# KiCad board usb_power_board.kicad_pcb (continued)
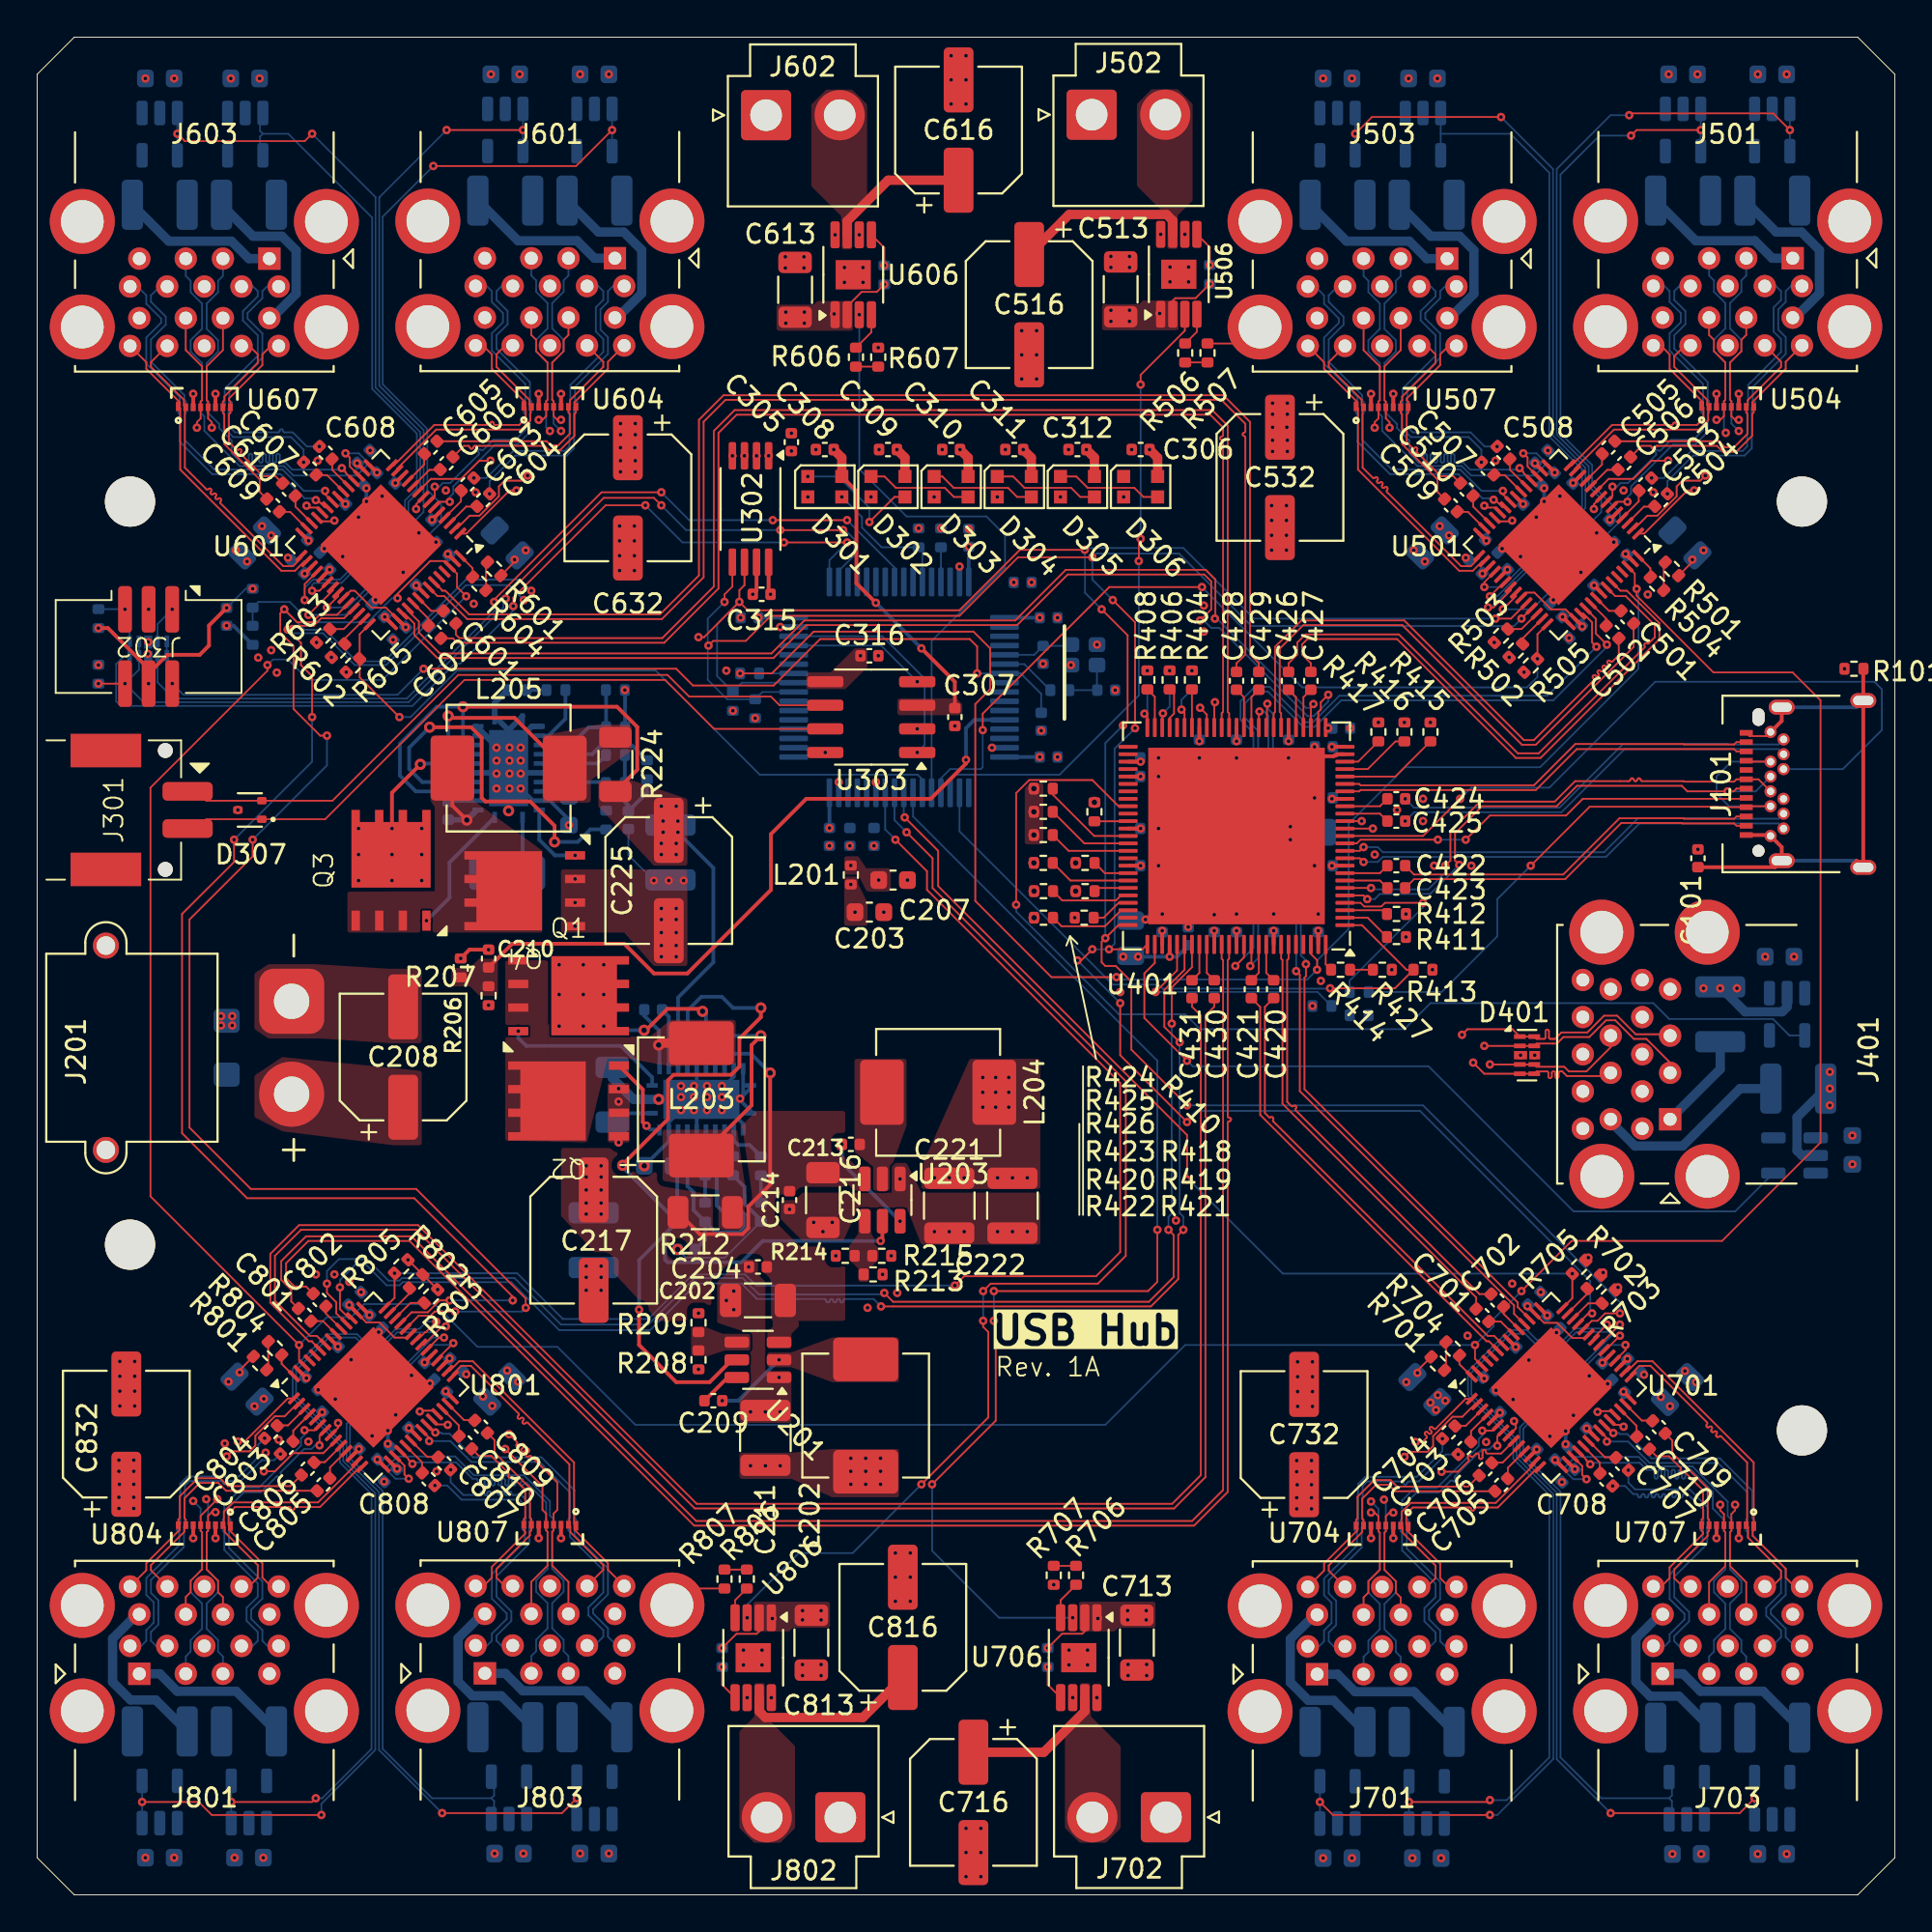
[diagram p0: board, top side]
## Nets (continued)
/USB Hub 3/TX_{E}-: C705.1 J701.17 U704.7
/USB Hub 3/TX_{K}+: C704.1 J701.9 U705.1
/USB Hub 3/TX_{K}-: C703.1 J701.8 U705.2
/USB Hub 4/BIAS: R804.2 U801.56
/USB Hub 4/BIASM: R801.2 R804.1
/USB Hub 4/CTL1: U801.36 U802.3 U802.4
/USB Hub 4/CTL2: U801.35 U803.3 U803.4
/USB Hub 4/CTL3: U801.34 U808.3 U808.4
/USB Hub 4/CTL4: U801.32 U809.3 U809.4
/USB Hub 4/D_{C}+: J803.3 U801.17 U810.5
/USB Hub 4/D_{C}-: J803.2 U801.18 U810.4
/USB Hub 4/D_{D}+: J803.12 U801.24 U807.4
/USB Hub 4/D_{D}-: J803.11 U801.25 U807.5
/USB Hub 4/D_{E}+: J801.12 U801.8 U804.4
/USB Hub 4/D_{E}-: J801.11 U801.9 U804.5
/USB Hub 4/D_{K}+: J801.3 U801.1 U805.5
/USB Hub 4/D_{K}-: J801.2 U801.2 U805.4
/USB Hub 4/QTXM_{C}: C807.2 U801.20
/USB Hub 4/QTXM_{D}: C809.2 U801.27
/USB Hub 4/QTXM_{E}: C805.2 U801.11
/USB Hub 4/QTXM_{K}: C803.2 U801.4
/USB Hub 4/QTXP_{C}: C808.2 U801.19
/USB Hub 4/QTXP_{D}: C810.2 U801.26
/USB Hub 4/QTXP_{E}: C806.2 U801.10
/USB Hub 4/QTXP_{K}: C804.2 U801.3
/USB Hub 4/RX_{C}+: J803.6 U801.22 U810.7
/USB Hub 4/RX_{C}-: J803.5 U801.23 U810.8
/USB Hub 4/RX_{D}+: J803.15 U801.29 U807.2
/USB Hub 4/RX_{D}-: J803.14 U801.30 U807.1
/USB Hub 4/RX_{E}+: J801.15 U801.13 U804.2
/USB Hub 4/RX_{E}-: J801.14 U801.14 U804.1
/USB Hub 4/RX_{K}+: J801.6 U801.6 U805.7
/USB Hub 4/RX_{K}-: J801.5 U801.7 U805.8
/USB Hub 4/TX_{C}+: C808.1 J803.9 U810.1
/USB Hub 4/TX_{C}-: C807.1 J803.8 U810.2
/USB Hub 4/TX_{D}+: C810.1 J803.18 U807.8
/USB Hub 4/TX_{D}-: C809.1 J803.17 U807.7
/USB Hub 4/TX_{E}+: C806.1 J801.18 U804.8
/USB Hub 4/TX_{E}-: C805.1 J801.17 U804.7
/USB Hub 4/TX_{K}+: C804.1 J801.9 U805.1
/USB Hub 4/TX_{K}-: C803.1 J801.8 U805.2
Net-(J101-SHIELD): C101.2 J101.A1 J101.A12 J101.B1 J101.B12 J101.S1 R101.2
Net-(J502-Pin_2): C516.1 J502.2 U506.7
Net-(J602-Pin_2): C616.1 J602.2 U606.7
Net-(J702-Pin_2): C716.1 J702.2 U706.7
Net-(J802-Pin_2): C816.1 J802.2 U806.7
Net-(R506-Pad2): R506.2 R507.1
Net-(R606-Pad2): R606.2 R607.1
Net-(R706-Pad2): R706.2 R707.1
Net-(R806-Pad2): R806.2 R807.1
Net-(U501A-SPI_CE_N/CFG_NON_REM): R502.2 U501.41
Net-(U501A-SPI_DI/CFG_BC_EN): R503.2 U501.40
Net-(U501A-USB3UP_TXDM): C501.2 U501.48
Net-(U501A-USB3UP_TXDP): C502.2 U501.47
Net-(U506-CL): R506.1 U506.4
Net-(U506-DELAY): R508.2 U506.5
Net-(U601A-SPI_CE_N/CFG_NON_REM): R602.2 U601.41
Net-(U601A-SPI_DI/CFG_BC_EN): R603.2 U601.40
Net-(U601A-USB3UP_TXDM): C601.2 U601.48
Net-(U601A-USB3UP_TXDP): C602.2 U601.47
Net-(U606-CL): R606.1 U606.4
Net-(U606-DELAY): R608.2 U606.5
Net-(U701A-SPI_CE_N/CFG_NON_REM): R702.2 U701.41
Net-(U701A-SPI_DI/CFG_BC_EN): R703.2 U701.40
Net-(U701A-USB3UP_TXDM): C701.2 U701.48
Net-(U701A-USB3UP_TXDP): C702.2 U701.47
Net-(U706-CL): R706.1 U706.4
Net-(U706-DELAY): R708.2 U706.5
Net-(U801A-SPI_CE_N/CFG_NON_REM): R802.2 U801.41
Net-(U801A-SPI_DI/CFG_BC_EN): R803.2 U801.40
Net-(U801A-USB3UP_TXDM): C801.2 U801.48
Net-(U801A-USB3UP_TXDP): C802.2 U801.47
Net-(U806-CL): R806.1 U806.4
Net-(U806-DELAY): R808.2 U806.5

Pads without a net: D306 1; J101 A8 B8; J401 5 6 8 9 14 15 17 18; U301 2 3 4 8 9 10 11 13 14 17 30 33 34 35 36 37 38 39 43 44 51 52 53 54 55 57 58 60 62; U401 46 51 52 54 56 57 58 60 66 74 96 97; U501 52 53; U601 52 53; U701 52 53; U801 52 53

## Via types
v1: diameter 0.45, hole 0.2, Top to Bottom, 960 vias
v2: diameter 0.6, hole 0.3, Top to Bottom, 26 vias

## Routing (per net, layer and track width the routed paths; a pad name or vN(x,y) marks a point on that pad's centre or on a via; arc(x,y) is an arc through that point)
+1V2: length 23.7
  Top w0.2: U401.93 v1(66.56,51.9) ; U801.5 v1(15.34,25.98) ; U801.15 v1(18.31,23.43) ; U801.33 v1(20.86,28.67) ; U401.38 v1(64.56,62.1) ; U701.33 v1(84.26,28.64) ; U801.49 v1(16.19,29.51) ; U401.55 v1(59.4,60.2) ; U401.85 v1(63.36,51.9) ; U601.33 v1(15.74,71.33) ; U501.12 v1(82.68,76) ; U701.21 v1(83.41,25.11) ; U501.15 v1(81.69,76.57) ; U501.28 v1(78.01,72.89) ; U601.43 18.78,68.72 ; U701.5 v1(78.74,25.96) ; U801.21 v1(20.01,25.13) ; U501.49 v1(83.81,70.49) ; U601.28 v1(14.61,72.89) ; v1(69.7,59) U401.18 ; U601.12 v1(19.28,76) ; U401.78 v1(60.56,51.9) ; U801.28 v1(21.99,27.11) ; U701.43 81.22,31.26 ; U801.43 17.82,31.28 ; U601.5 v1(21.26,74.02) ; U501.21 v1(79.99,74.87) ; U701.49 v1(79.59,29.49) ; U401.9 v1(69.7,55.4) ; U701.12 v1(80.72,23.98) ; U601.15 v1(18.29,76.57) ; U501.33 v1(79.14,71.33) ; U601.49 v1(20.41,70.49) ; U401.25 v1(69.7,61.8) ; U601.21 v1(16.59,74.87) ; U701.28 v1(85.39,27.09) ; U801.12 v1(17.32,24) ; U701.15 v1(81.71,23.41) ; U401.31 v1(67.36,62.1) ; U501.5 v1(84.66,74.02) ; U501.43 82.18,68.72
  vias: v1(12.1,73.68) v1(12.6,73.18) v1(17.89,31.21) v1(18.71,68.79) v1(24,26.82) v1(24.5,26.32) v1(45.51,33.4) v1(45.97,34.4) v1(48.3,38.6) v1(49.1,38.6) v1(49.9,38.6) v1(50.9,44) v1(50.9,43.2) v1(50.9,42.4) v1(51.6,44) v1(51.6,43.2) v1(51.6,42.4) v1(51.7,38.6) v1(52.3,44) v1(52.3,43.2) v1(52.3,42.4) v1(52.5,38.6) v1(53.3,38.6) v1(75.5,73.68) v1(76,73.18) v1(81.29,31.19) v1(82.11,68.79) v1(87.4,26.8) v1(87.9,26.3)
+5V: length 66.3
  Top w0.2: v1(45.15,69.55) 44.1,70.6 44.1,75.56 D301.4 ; R224.1 32.3,60.57 32.3,62.87 31.21,63.95 v2(22.92,63.95) ; v1(47.6,67.1) 49.4,65.3 C307.2
  Top w0.5: D306.4 60.31,77.36 v1(59.88,77.8) ; D302.4 46.72,77.36 v1(46.28,77.8) ; v1(42.88,77.8) 43.31,77.36 D301.4 ; 50.12,76.35 50.12,77.36 v1(49.68,77.8) ; v1(56.48,77.8) 56.91,77.36 D305.4 ; D304.4 53.51,77.36 v1(53.08,77.8)
  Bottom w0.2: C224.2 36.4,55.28 36.4,50.2 34.5,48.3 U202.16 ; 23.58,61.9 23.15,61.9 22.92,62.13 v2(22.92,63.95) 21.52,63.95 19.53,61.96 19.53,60.25 20.38,59.4 23.58,59.4 ; v1(45.15,69.55) v1(47.6,67.1)
  vias: v1(4.4,23.4) v1(4.4,22.8) v1(4.43,22.1) v1(4.4,21.4) v1(4.4,20.8) v1(5.2,23.4) v1(5.2,22.8) v1(5.2,22.1) v1(5.2,21.4) v1(5.2,20.8) v1(5.83,97.78) v1(7.37,2) v1(10.42,97.78) v1(12.17,2) v1(24.42,98) v1(26.17,2.22) v1(29.22,98) v1(30.78,2.22) v1(31.4,79.2) v1(31.4,78.6) v1(31.4,77.9) v1(31.4,77.2) v1(31.4,76.6) v1(32.2,79.2) v1(32.2,78.6) v1(32.17,77.9) v1(32.2,77.2) v1(32.2,76.6) v1(33.6,58.6) v1(33.6,56.6) v1(33.6,56) v1(33.69,57.8) v1(33.69,57.2) v1(34.4,58.6) v1(34.4,56.6) v1(34.4,56) v1(34.49,57.8) v1(34.49,57.2) v1(40.6,78.68) v1(47.45,73.56) v1(66.5,80.3) v1(66.5,79.7) v1(66.5,79) v1(66.5,78.3) v1(66.5,77.7) v1(67.3,80.3) v1(67.3,79.7) v1(67.27,79) v1(67.3,78.3) v1(67.3,77.7) v1(67.8,23.38) v1(67.8,22.78) v1(67.83,22.07) v1(67.8,21.38) v1(67.8,20.78) v1(68.6,23.38) v1(68.6,22.78) v1(68.6,22.08) v1(68.6,21.38) v1(68.6,20.78) v1(69.22,97.78) v1(70.78,1.98) v1(73.82,97.78) v1(75.57,1.98) v1(87.82,98) v1(89.57,2.2) v1(92.62,98) v1(93.02,50.5) v1(94.18,2.2) v1(97.71,40.88)
+12V: length 30.1
  Top w0.095: v1(45.6,86.69) 45.2,86.29 44.38,86.29 43.6,85.51 43.6,85.06 ; v1(63.12,86.72) 62.36,85.95 61.27,85.95 61.13,85.81 U506.2 ; v1(36.87,13.28) 37.64,14.05 38.73,14.05 38.87,14.19 U806.2 ; 56.4,14.92 56.4,14.19 56.26,14.05 55.17,14.05 v1(54.4,13.29)
  Top w0.2: v2(39.46,44.24) 39.46,38.23 38.28,37.05 38.28,35.88 37.97,35.57 36.87,35.57 36.83,35.6 36.8,35.57 35.67,35.57 R212.1
  Bottom w0.2: 37,44.62 37,45.05 37.24,45.28 38.42,45.28 v2(39.46,44.24)
  Bottom w0.5: C217.1 C215.2
  vias: v1(29.56,39.24) v1(29.56,38.64) v1(29.56,37.94) v1(29.56,37.24) v1(29.56,36.64) v1(30.36,39.24) v1(30.36,38.64) v1(30.36,37.94) v1(30.36,37.24) v1(30.36,36.64) v1(39.52,10.61) v1(39.57,14.87) v1(40.3,85.2) v1(40.3,84.6) v1(41.2,15.3) v1(41.2,14.8) v1(41.3,85.2) v1(41.3,84.6) v1(42.2,15.3) v1(42.2,14.8) v1(42.9,85.1) v1(42.95,89.36) v1(57.05,10.62) v1(57.1,14.88) v1(57.8,85.3) v1(57.8,84.7) v1(58.7,15.3) v1(58.7,14.8) v1(58.8,85.3) v1(58.8,84.7) v1(59.7,15.3) v1(59.7,14.8) v1(60.43,85.13) v1(60.48,89.39)
/20gbps hub/VBUS: length 35.7
  Top w0.095: v1(80.4,55.4) 83.57,58.58 90.44,58.58 90.47,58.55 J101.A4 92.05,58.6 J101.B9 ; J101.B4 92.05,61 J101.A9
  Bottom w0.095: J101.B4 91.2,61 90.4,60.2 90.4,59.28 91.08,58.6 J101.B9 ; R403.2 75.6,48.6 78.6,51.6 78.6,53.6 v1(80.4,55.4)
/20gbps hub/VBUS_MON: length 23.6
  Top w0.09: U401.80 61.36,49.76 v1(60.2,48.6) ; U401.4 71.24,53.4 71.44,53.2 72.36,53.2 72.56,53.4 v1(74.6,53.4)
  Bottom w0.09: R402.2 68.92,48.6 v1(60.2,48.6) ; v1(74.6,53.4) 74.6,53.16 70.65,49.21 R403.1
/20gbps hub/VBUSA: length 5.3
  Bottom w0.5: C434.2 90.6,44.45 J401.1
/20gbps hub/VBUSB: length 10.6
  Bottom w0.5: J401.10 84.7,41.62 86.01,40.31 88.57,40.31 91.67,43.4 C435.2
/Power Board/VBUS_{SENSE}: length 37.6
  Top w0.2: v1(50,61.1) 50,60.9 48.1,59 41.4,59 39.5,57.1 39.5,54.1 35,49.6 33.2,49.6 31.6,51.2 25.58,51.2 C210.2
  Bottom w0.2: 52.15,63.25 50.45,63.25 50,62.8 v1(50,61.1)
/Power Board/VCC_{5V}: length 1.6
  Bottom w0.2: 27.17,59.4 28.36,59.4 C219.2
/Power Board/VCC_{12V}: length 4
  Bottom w0.2: R202.1 34.46,38.74 34.23,38.97 C205.2 34.5,39.51 34.5,41.03
/Power Board/VDDA_{5V}: length 7.6
  Bottom w0.2: 27.17,59.9 30.57,59.9 R223.2 31.83,58.64 C220.2 32.83,59.33 R216.1
/Power Board/VDDA_{12V}: length 11
  Bottom w0.2: R211.2 35.34,36.85 35.34,37.81 35,38.15 35,41.03 ; R211.2 35.96,35.26 C206.2 ; R211.2 36.53,35.66 37.83,35.66 38.08,35.91 38.08,36.63 R201.1
/USB Hub 1/VBUSC: length 8.6
  Bottom w0.5: J503.1 74.8,88.08 73.86,89.02 70.48,89.02 C519.2
/USB Hub 1/VBUSD: length 9.3
  Bottom w0.5: C520.2 75.02,89.29 76.57,89.29 77.34,88.52 77.34,86.19 76.03,84.88 J503.10
/USB Hub 1/VBUSE: length 9.4
  Bottom w0.5: J501.10 94.63,84.9 95.94,86.21 95.94,88.54 94.97,89.51 93.62,89.51 C515.2
/USB Hub 1/VBUSK: length 8.7
  Bottom w0.5: J501.1 93.4,88.1 92.46,89.04 89.28,89.04 C514.2
/USB Hub 2/VBUSC: length 8.6
  Bottom w0.5: J603.1 11.4,88.08 10.46,89.02 7.08,89.02 C619.2
/USB Hub 2/VBUSD: length 9.3
  Bottom w0.5: C620.2 11.62,89.29 13.17,89.29 13.94,88.52 13.94,86.19 12.63,84.88 J603.10
/USB Hub 2/VBUSE: length 9.4
  Bottom w0.5: C615.2 30.22,89.51 31.57,89.51 32.54,88.54 32.54,86.21 31.23,84.9 J601.10
/USB Hub 2/VBUSK: length 8.7
  Bottom w0.5: C614.2 25.88,89.04 29.06,89.04 30,88.1 J601.1
/USB Hub 3/VBUSC: length 8.6
  Bottom w0.5: C719.2 92.92,10.96 89.54,10.96 88.6,11.9 J703.1
/USB Hub 3/VBUSD: length 9.3
  Bottom w0.5: J703.10 87.37,15.1 86.06,13.79 86.06,11.46 86.83,10.69 88.38,10.69 C720.2
/USB Hub 3/VBUSE: length 9.4
  Bottom w0.5: C715.2 69.78,10.47 68.43,10.47 67.46,11.44 67.46,13.77 68.77,15.08 J701.10
/USB Hub 3/VBUSK: length 8.7
  Bottom w0.5: C714.2 74.12,10.94 70.94,10.94 70,11.88 J701.1
/USB Hub 4/VBUSC: length 8.6
  Bottom w0.5: C819.2 29.52,10.98 26.14,10.98 25.2,11.92 J803.1
/USB Hub 4/VBUSD: length 9.3
  Bottom w0.5: J803.10 23.97,15.12 22.66,13.81 22.66,11.48 23.43,10.71 24.98,10.71 C820.2
/USB Hub 4/VBUSE: length 9.4
  Bottom w0.5: C815.2 6.38,10.49 5.03,10.49 4.06,11.46 4.06,13.79 5.37,15.1 J801.10
/USB Hub 4/VBUSK: length 8.7
  Bottom w0.5: C814.2 10.72,10.96 7.54,10.96 6.6,11.9 J801.1
GND: length 124.2
  Top w0.09: R507.2 64.94,83.51 J503.19 ; J803.19 35.06,16.49 R807.2
  Top w0.095: v1(21.56,32.58) R802.1 v1(19.96,34.18) ; R701.1 74.3,28.22 v1(74.3,28.1) ; v1(25.7,71.88) 25.7,71.76 R601.1 ; R801.1 10.9,28.24 v1(10.9,28.12) ; v1(89.1,71.88) 89.1,71.76 R501.1
  Top w0.2: v1(24.3,50.88) 23.27,50.88 v1(22.8,50.41) ; U804.6 v1(8.4,19.2) ; U704.6 v1(71.8,19.2) ; U607.6 v1(9.6,80.8) ; U507.3 v1(71.8,80.8) ; 6,68.4 v1(6,69.2) 6,68.3 ; U707.6 v1(90.4,19.2) ; U507.6 v1(73,80.8) ; 69.2,61.2 69.29,61.29 69.8,61.29 69.86,61.35 69.95,61.35 70,61.4 U401.24 ; U807.3 v1(28.2,19.2) ; U707.3 v1(91.6,19.2) ; U704.3 v1(73,19.2) ; U302.7 38.72,70.22 v1(38.52,70.01) ; U807.6 v1(27,19.2) ; U604.3 v1(27,80.8) ; U504.6 v1(91.6,80.8) ; U607.3 v1(8.4,80.8) ; U504.3 v1(90.4,80.8) ; U604.6 v1(28.2,80.8) ; U804.3 v1(9.6,19.2)
  Bottom w0.09: 3.3,66.41 3.52,66.41 ; v1(33.2,54.6) 31.83,55.97 C220.1
  Bottom w0.095: v2(34.48,34.74) 34.93,34.29 37.01,34.29 R204.2
  Bottom w0.2: R221.2 31.65,64.84 v1(31.64,64.86) ; U604.6 v1(28.2,80.8) ; v1(37.84,42.86) 38,43.03 38,44.62 ; v1(37.84,42.86) 38.55,43.57 ; v1(37.84,42.86) 37.8,42.82 ; 37.5,44.62 37.5,44.05 36.28,42.82 U202.25 ; U202.25 36.68,42.82 38,41.5 38,41.03 ; U202.25 35.23,42.82 34,41.6 34,40.56 v2(32.68,39.24) ; U202.25 37.8,42.82 ; U202.25 35.5,42.57 35.5,41.03 ; U202.25 35.5,43.07 35.5,44.62 ; U504.6 v1(91.6,80.8) ; R306.2 10.57,68.32 v1(10.2,68.32) ; 37.8,42.82 38.55,42.07 ; U604.3 v1(27,80.8) ; U607.6 v1(9.6,80.8) ; U707.3 v1(91.6,19.2) ; v1(28.63,57.58) 28.63,57.87 27.6,58.9 26.7,58.9 25.38,60.22 U204.25 ; U807.6 v1(27,19.2) ; U704.6 v1(71.8,19.2) ; U707.6 v1(90.4,19.2) ; v1(60.56,52.8) 59.96,52.8 v1(59.66,52.5) ; R205.2 38.08,38.11 38.08,37.2 38.96,36.32 R204.2 ; v1(18.88,24.28) v1(18.88,24.99) ; U507.3 v1(71.8,80.8) ; U804.3 v1(9.6,19.2) ; U504.3 v1(90.4,80.8) ; U507.6 v1(73,80.8) ; v1(82.28,24.26) v1(82.28,24.97) ; U807.3 v1(28.2,19.2) ; v1(81.12,75.72) v1(81.12,75.01) ; U607.3 v1(8.4,80.8) ; v1(17.72,75.72) v1(17.72,75.01) ; U704.3 v1(73,19.2) ; U804.6 v1(8.4,19.2)
  Bottom w0.3: 23.58,62.9 23.65,62.9 25.38,61.17 U204.25 ; U204.25 25.63,60.4 27.17,60.4 ; U204.25 25.38,62.69 ; U204.25 25.38,61.65 26.63,62.9 27.17,62.9 ; U204.25 25.38,61.15 24.13,62.4 23.58,62.4 ; U204.25 25.13,60.4 23.58,60.4 ; 25.38,62.69 26.13,63.44 ; 25.38,62.69 24.63,63.44 24.63,64.16 R219.2
  Bottom w0.5: U403.2 95,39.8 94.73,40.07 94.73,41.86 C435.1 ; C201.1 30.96,43.97 32.11,42.82 v2(33.46,42.82) U202.25 ; C217.2 C215.1 ; U402.2 94.2,47.8 93.93,47.53 91.94,47.53 C434.1
  vias: v1(3.3,66.2) v1(4.45,28.71) v1(4.45,27.91) v1(4.45,27.11) v1(4.45,26.31) v1(5.25,28.71) v1(5.25,27.91) v1(5.25,26.31) v1(5.25,27.11) v1(5.82,2) v1(5.98,67.44) v1(5.95,66.8) v1(7.38,97.78) v1(9.9,47.3) v1(9.9,46.8) v1(10.1,24.3) v1(10.3,27.62) v1(10.5,47.3) v1(10.5,46.8) v1(10.62,2) v1(10.7,72.38) v1(10.81,58.4) v1(11.3,71.78) v1(11.9,66.6) v1(11.97,97.78) v1(12.3,23.8) v1(12.6,67) v1(12.9,65.79) v1(13,24.5) v1(13.5,71.98) v1(14.6,24.4) v1(15.04,67.42) v1(15,33.4) v1(15.1,77.2) v1(15.13,27.18) v1(15.46,72.47) v1(15.84,66.62) v1(16,33.4) v1(16.05,26.69) v1(16.45,72.04) v1(16.64,65.82) v1(16.8,33) v1(16.9,28.81) v1(17.3,74.16) v1(17.44,32.44) v1(17.92,77.75) v1(18.03,24.71) v1(18.22,69.71) v1(18.38,30.29) v1(18.57,75.29) v1(18.68,22.25) v1(19.16,67.56) v1(19.3,25.84) v1(19.7,71.19) v1(20.15,27.96) v1(20.55,73.31) v1(21.14,27.53) v1(21.47,72.82) v1(21.5,22.8) v1(22,75.6) v1(23.1,28.02) v1(23.5,69.5) v1(23.6,75.5) v1(24.62,2.22) v1(24.73,61.75) v1(24.73,61.06) v1(24.73,60.36) v1(24.73,59.56) v1(25.3,28.22) v1(25.43,61.75) v1(25.43,61.06) v1(25.43,60.36) v1(25.43,59.56) v1(25.9,27.62) v1(25.97,98) v1(26.03,61.75) v1(26.03,61.06) v1(26.03,60.36) v1(26.03,59.56) v1(26.3,72.38) v1(28.96,54.69) v1(28.96,53.42) v1(28.96,52.14) v1(29.22,2.22) v1(29.56,33.84) v1(29.56,33.24) v1(29.56,32.54) v1(30.36,33.84) v1(30.36,33.24) v1(30.36,32.54) v1(30.78,98) v1(31.35,73.69) v1(31.35,72.89) v1(31.35,72.09) v1(31.35,71.29) v1(31.3,43.4) v1(31.3,42.7) v1(31.3,40.5) v1(32.15,73.69) v1(32.15,72.89) v1(32.15,72.09) v1(32.15,71.29) v1(33.6,53.1) v1(33.6,52.5) v1(33.6,51.8) v1(33.6,51.1) v1(33.6,50.5) v1(34,54.6) v1(34.4,53.1) v1(34.4,52.5) v1(34.4,51.8) v1(34.4,51.1) v1(34.4,50.5) v1(34.66,43.54) v1(34.66,42.94) v1(34.66,42.24) v1(34.8,54.6) v1(35.36,43.54) v1(35.36,42.94) v1(35.36,42.24) v1(35.6,31.31) v1(36.06,43.54) v1(36.06,42.94) v1(36.06,42.24) v1(36.86,43.54) v1(36.86,42.94) v1(36.86,42.24) v1(37.1,65.9) v1(37.1,32) v1(37.43,77.46) v1(37.5,32.5) v1(37.5,31.5) v1(37.87,68.75) v1(38.02,13.17) v1(38.02,12.37) v1(38.07,77.46) v1(38.22,10.61) v1(38.3,33.8) v1(38.4,26) v1(38.72,77.46) v1(39.02,13.17) v1(39.02,12.37) v1(39.2,26) v1(39.38,77.46) v1(39.94,27.85) v1(40,68.25) v1(40,26) v1(40.28,88.17) v1(40.28,87.57) v1(40.5,36.9) v1(40.6,77.72) v1(41.2,12.4) v1(41.2,11.8) v1(41.28,88.17) v1(41.28,87.57) v1(41.49,75.25) v1(41.8,36.2) v1(41.92,77.8) v1(42.2,12.4) v1(42.2,11.8) v1(42.3,35.7) v1(42.43,61.5) v1(42.65,56.47) v1(42.8,36.2) v1(42.99,34.4) v1(43.15,59.9) v1(43.46,87.6) v1(43.46,86.8) v1(43.75,56.47) v1(44.25,89.36) v1(44.46,87.6) v1(44.45,86.8) v1(44.7,31.6) v1(44.88,75.25) v1(45.05,56.47) v1(45.15,59.9) v1(45.28,83.28) v1(45.32,77.8) v1(45.28,66.7) v1(45.58,52.9) v1(46.2,18.4) v1(46.2,17.1) v1(46.2,15.8) v1(46.3,32.4) v1(46.45,38.54) v1(46.85,54.62) v1(47,18.4) v1(47,17.1) v1(47,15.8) v1(47.38,62.77) v1(48.28,75.25) v1(48.3,35.7) v1(48.65,73.56) v1(48.72,77.8) v1(49.1,35.7) v1(49.2,99) v1(49.2,97.7) v1(49.2,96.4) v1(49.4,62.92) v1(49.65,71.5) v1(49.9,35.7) v1(50,99) v1(50,97.7) v1(50,96.4) v1(50,3.58) v1(50,2.28) v1(50,0.98) v1(50.15,73.53) v1(50.8,3.58) v1(50.8,2.28) v1(50.8,0.98) v1(51.4,61.75) v1(51.69,75.25) v1(51.7,35.7) v1(52.12,77.8) v1(52.5,35.7) v1(53,84.2) v1(53,82.9) v1(53,81.6) v1(53.3,35.7) v1(53.53,70.65) v1(53.8,84.2) v1(53.8,82.9) v1(53.8,81.6) v1(54.05,62.67) v1(54.15,66.27) v1(54.72,16.69) v1(54.93,68.75) v1(54.93,61.25) v1(55.09,75.25) v1(55.52,77.8) v1(55.54,13.18) v1(55.54,12.38) v1(55.65,66.2) v1(55.75,10.62) v1(55.85,52.6) v1(56.54,13.18) v1(56.54,12.38) v1(57.05,67.3) v1(57.8,88.2) v1(57.8,87.6) v1(58.03,64.85) v1(58.3,48.6) v1(58.49,75.25) v1(58.72,12.4) v1(58.72,11.8) v1(58.8,88.2) v1(58.8,87.6) v1(58.92,77.8) v1(59.72,12.4) v1(59.72,11.8) v1(59.76,65.9) v1(60.36,61.2) v1(60.36,60.2) v1(60.36,57.4) v1(60.36,55.4) v1(60.98,87.63) v1(60.98,86.83) v1(60.96,65.9) v1(61.3,36.3) v1(61.78,89.39) v1(61.98,87.63) v1(61.98,86.83) v1(61.96,52.1) v1(62.16,65.9) v1(62.56,61.2) v1(62.8,69.4) v1(62.8,68) v1(63.36,52.76) v1(64.56,61.2) v1(64.56,52.8) v1(66.45,74.79) v1(66.45,73.99) v1(66.45,73.19) v1(66.45,72.39) v1(66.56,52.8) v1(67.25,74.79) v1(67.25,73.99) v1(67.25,73.19) v1(67.25,72.39) v1(67.36,61.2) v1(67.46,57.5) v1(67.46,56.8) v1(67.85,28.69) v1(67.85,27.09) v1(67.85,26.29) v1(67.85,27.89) v1(68.65,47.85) v1(68.65,28.69) v1(68.65,27.89) v1(68.65,27.09) v1(68.65,26.29) v1(68.76,61.8) v1(68.76,59.05) v1(68.76,55.4) v1(68.96,52.8) v1(69.1,49.2) v1(69.22,1.98) v1(70.68,62.8) v1(70.78,97.78) v1(72,56) v1(72.2,63.11) v1(72.92,49.8) v1(73.2,58.4) v1(73.6,63.11) v1(73.68,52.8) v1(73.68,51.56) v1(73.7,27.6) v1(74.03,1.98) v1(74.1,72.38) v1(74.6,59) v1(74.6,57.8) v1(74.7,71.78) v1(75,63.11) v1(75.11,49.8) v1(75.2,55.4) v1(75.38,97.78) v1(76.9,71.98) v1(77,30.1) v1(77.2,55.4) v1(78,24.38) v1(78.44,67.42) v1(78.5,77.2) v1(78.53,27.16) v1(78.86,72.47) v1(79.24,66.62) v1(79.4,32.9) v1(79.45,26.66) v1(79.85,72.04) v1(79.85,45.2) v1(80.04,65.82) v1(80.3,28.78) v1(80.61,45.2) v1(80.7,74.16) v1(80.94,32.44) v1(81.32,77.75) v1(81.43,24.68) v1(81.62,69.71) v1(81.78,30.27) v1(81.97,75.29) v1(82.08,22.22) v1(82.46,67.66) v1(82.7,25.82) v1(83.1,71.19) v1(83.5,34.3) v1(83.55,27.94) v1(83.95,73.31) v1(84.3,33.5) v1(84.54,27.51) v1(84.87,72.82) v1(85.1,32.7) v1(85.4,75.6) v1(86.5,28) v1(86.7,70) v1(87,75.5) v1(88.03,2.2) v1(88.7,28.2) v1(89.3,27.6) v1(89.38,98) v1(89.4,56.28) v1(89.7,72.38) v1(89.7,48.8) v1(90.6,48.8) v1(91.5,48.8) v1(92.62,2.2) v1(94.18,98) v1(94.57,50.5) v1(96.5,44.3) v1(96.5,43.4) v1(96.5,42.5) v1(97.29,66) v1(97.71,39.33) v2(25.38,58.36) v2(53.65,55.55) v2(53.66,54.03) v2(53.66,52.6) v2(55.9,55.55) v2(55.9,54.03) v2(56.91,58.81)
VBUS: length 21.3
  Top w0.2: v2(35.82,47.56) 35.68,47.69 33.92,47.69 32.77,46.54 v2(32.67,46.54) ; v2(20.63,60.86) 19.1,59.33 v1(19.1,57.4)
  Bottom w0.2: v2(20.63,60.86) 20.67,60.9 23.58,60.9 ; 26.13,57.86 26.13,55.65 26.78,55 ; v2(32.67,46.54) 30.64,46.54 ; 32.96,42.07 31.43,42.07 C201.2 ; v2(35.82,47.56) 36,47.37 36,44.62 ; 30.64,46.91 v1(30.5,46.77)
  vias: v1(17.3,57.4) v1(17.3,56) v1(17.3,54.6) v1(19.1,56) v1(19.1,54.6) v1(20.7,57.4) v1(20.7,56) v1(20.7,54.6) v1(24.3,47.89) v1(28.1,50.06) v1(28.1,48.47) v1(28.1,46.77) v1(29.4,50.06) v1(29.4,48.47) v1(29.4,46.77) v1(30.5,50.06) v1(30.5,48.47)
VDD: length 55
  Top w0.095: U701.44 81.12,30.79 81.83,30.79 82.64,29.97 83.33,29.97 U701.37 ; U501.44 82.27,69.2 81.5,69.2 80.6,70.1 80.17,70.1 U501.37 ; U601.44 18.78,69.29 18.01,69.29 17.1,70.2 16.87,70.2 U601.37 ; U801.37 19.93,30 19.24,30 18.43,30.81 17.72,30.81 U801.44
  Top w0.2: v1(10.2,69.28) 9.25,68.33 9.25,67.25 8.75,66.75 7,66.75 6,65.75 v1(6,65.2) 6,66 3.81,68.19 v1(3.3,68.19) ; U401.53 v1(59.4,61) ; U701.55 v1(77.89,27.79) ; U801.44 16.8,31.73 v1(16.8,31.75) ; U701.16 v1(82.77,22.92) ; U601.55 v1(22.11,72.18) ; U401.67 v1(59.4,55.4) ; U401.43 v1(62.56,62.1) ; U801.55 v1(14.49,27.82) ; U801.16 v1(19.37,22.94) ; U501.31 v1(77.8,71.12) ; U501.44 83.18,68.29 v1(83.18,68.28) ; U401.79 v1(60.96,50.5) ; U501.16 v1(80.63,77.06) ; U801.31 v1(22.2,28.88) ; v1(39.48,70.01) 39.38,70.12 U302.8 ; U401.62 v1(59.4,57.4) ; U401.88 v1(64.56,51.9) ; U601.31 v1(14.4,71.12) ; U601.16 v1(17.23,77.06) ; U601.44 19.83,68.24 v1(19.84,68.24) ; U701.31 v1(85.6,28.86) ; U501.55 v1(85.51,72.18) ; U401.99 v1(68.96,51.9)
  Bottom w0.09: v1(11.6,70.31) 11.23,70.31 v1(10.2,69.28)
  Bottom w0.2: 42.65,59.25 v1(42.65,57.43) ; 50.15,70.75 v1(50.15,72.57) ; 61.96,51.1 61.36,50.5 v1(60.96,50.5) v1(59.26,50.5) 58.86,50.5 ; 52.15,68.75 v1(53.97,68.75) ; 40.65,68.75 v1(38.83,68.75) ; 52.15,61.25 v1(53.97,61.25)
  vias: v1(11.7,26.3) v1(12.2,26.7) v1(35.6,28.29) v1(37.45,63.74) v1(38.4,23.1) v1(38.65,63.34) v1(39.2,23.1) v1(40,23.1) v1(43.8,54.39) v1(43.8,23.5) v1(43.8,22.8) v1(43.8,22.1) v1(44.03,52.9) v1(44.32,66.7) v1(44.6,23.5) v1(44.6,22.8) v1(44.6,22.1) v1(45.4,23.5) v1(45.4,22.8) v1(45.4,22.1) v1(52.57,70.65) v1(58.46,50.5) v1(69.5,62.8) v1(75,26.5) v1(75.3,26.1) v1(75.4,26.9) v1(75.8,26.6) v1(80.22,31.69) v2(53.65,59.55) v2(53.65,58.3) v2(53.65,57.05)
VDDA:
  vias: v1(43.8,55.41) v1(45.3,54.62)
/20gbps hub/BIAS: length 1.5
  Top w0.095: R414.2 69.36,50.09 U401.100
/20gbps hub/BIASM: length 1.2
  Top w0.095: R414.1 R427.2
/20gbps hub/CC1: length 22.6
  Top w0.095: J101.A5 91.95,59 83.2,59 82.3,58.1 78.2,58.1 v1(76.9,56.8) ; v1(75.4,56.8) 75.4,56.8 71.23,56.8 71.04,56.6 U401.12
  Bottom w0.095: v1(75.4,56.8) v1(76.9,56.8)
/20gbps hub/CC2: length 40.9
  Top w0.095: U401.13 74.6,57 v1(76.6,59)
  Bottom w0.095: J101.B5 97.2,60.6 99.3,62.7 99.3,64.9 98.9,65.3 87.1,65.3 81.4,59.6 77.2,59.6 v1(76.6,59)
/20gbps hub/CFG1: length 5.4
  Top w0.09: R415.2 73.11,60.2 U401.21
/20gbps hub/CFG2: length 3.8
  Top w0.09: R416.2 73.12,62.09 71.63,60.6 U401.22
/20gbps hub/CFG3: length 2.3
  Top w0.09: U401.23 71.11,61 R417.2
/20gbps hub/CLKIN: length 286.5
  Top w0.09: v1(12.4,66.2) 12.4,65.9 6.1,59.6 6.1,37.6 v1(14.1,29.6) 14.1,28.78 U801.54 ; U401.98 68.56,50.65 68.9,50.31 v1(68.9,49.8) ; v1(79.9,32.5) 82.6,35.2 90.7,35.2 96,40.5 96,64.3 94.5,65.8 90.24,65.8 86.1,69.94 v1(86.1,70.3) 86,70.4 86,71.12 U501.54 ; U701.54 77.4,28.85 v1(77.4,29.6) ; U601.54 22.6,71.12 22.6,70.4 v1(23.09,69.91)
  Top w0.095: v1(37.84,65.75) 39.55,65.75 41.8,68 50.4,68 51.3,67.1 51.3,64.9 50.5,64.1 50.5,53.5 54.6,49.4 v1(58.1,49.4) ; v1(19.4,69.8) 19.4,70.04 21.16,71.8 21.92,71.8 U601.54
  Bottom w0.09: v1(86.1,70.3) 86.2,70.2 86.2,66 80.9,60.7 73.64,60.7 70.6,57.66 70.6,52 68.9,50.3 v1(68.9,49.8) ; v1(23.09,69.91) 18.59,65.4 14.6,65.4 13.5,66.5 12.7,66.5 v1(12.4,66.2) ; v1(79.9,32.5) 78.4,31 78.4,30.6 v1(77.4,29.6) 61.8,29.6 57.5,25.3 32.2,25.3 28,29.5 23.7,29.5 21.4,31.8 17.6,31.8 16.9,31.1 15.6,31.1 v1(14.1,29.6) ; R304.2 R306.1
  Bottom w0.095: R304.2 11.91,69.6 13.6,69.6 14.2,69 14.2,68.73 14.43,68.5 17.81,68.5 19.1,69.8 v1(19.4,69.8) ; v1(58.1,49.4) 58.23,49.27 68.37,49.27 v1(68.9,49.8)
/20gbps hub/D_{1}+: length 40.5
  Top w0.095: U501.45 83.24,68.96 83.7,68.5 83.7,67.42 v1(83.94,67.19) ; v1(64.5,50) 64.96,50.46 U401.89
  Bottom w0.095: v1(64.5,50) 65.47,50.97 65.47,62.55 64.78,63.25 64.78,64.25 65.55,65.03 66.35,65.03 68.25,63.12 68.67,63.12 70.1,64.55 81.3,64.55 v1(83.94,67.19)
/20gbps hub/D_{1}-: length 40.6
  Top w0.095: U501.46 83.9,68.7 83.9,67.9 v1(84.5,67.3) ; v1(65.3,50) 65.36,50.06 U401.90
  Bottom w0.095: v1(65.3,50) 65.72,50.42 65.72,62.65 65.03,63.35 65.03,64.15 65.65,64.78 66.25,64.78 68.15,62.88 68.78,62.88 70.2,64.3 81.61,64.3 84.5,67.19 v1(84.5,67.3)
/20gbps hub/D_{2}+: length 61
  Top w0.095: v1(62.6,68.6) 63.2,69.2 63.2,70.7 62.82,71.08 55.47,71.08 52.75,68.35 41.4,68.35 39.63,66.58 21.55,66.58 20.3,67.82 20.3,68.44 19.77,68.96 U601.45 ; U401.27 68.96,63.66 69.1,63.8 69.1,64.2 v1(69.5,64.6)
  Bottom w0.095: v1(62.6,68.6) 62.8,68.6 63.2,68.2 63.64,68.2 68.15,63.69 68.15,63.68 68.38,63.45 68.72,63.45 69.5,64.24 v1(69.5,64.6)
/20gbps hub/D_{2}-: length 57.9
  Top w0.095: U401.28 68.56,63.96 v1(68.7,64.1) 68.7,63.97 ; v1(63.4,68.7) 63.43,68.72 63.43,70.81 62.91,71.33 55.37,71.33 52.65,68.6 41.3,68.6 39.53,66.83 21.67,66.83 20.55,67.95 20.55,68.54 19.95,69.14 U601.46
  Bottom w0.095: v1(68.7,64.1) 68.5,63.9 68.3,63.9 63.5,68.7 v1(63.4,68.7)
/20gbps hub/D_{3}+: length 40.3
  Top w0.095: v1(68.3,50.1) 68.3,49.45 68.22,49.37 68.22,43.37 79.7,31.89 79.7,31.65 U701.45 ; U401.34 66.2,62.88 66.2,64.1
  Bottom w0.095: v1(68.3,50.1) 68.3,50.3 68.03,50.58 68.03,53.25 66.53,54.75 66.53,63.57 66.22,63.88 v1(66.22,64.12)
/20gbps hub/D_{3}-: length 39.8
  Top w0.095: U401.35 65.76,63.66 ; U701.46 79.5,31.28 79.5,31.73 67.97,43.26 67.97,49.53 v1(67.78,49.72)
  Bottom w0.095: v1(65.8,63.7) 66.05,63.7 66.28,63.47 66.28,54.65 67.78,53.15 v1(67.78,49.72)
/20gbps hub/D_{4}+: length 71.4
  Top w0.095: U801.45 16.79,31.04 16.3,31.53 v1(16.3,32.7) ; v1(61.5,45.9) 60.68,46.72 60.68,48.71 61.76,49.8 U401.81 ; v1(61.7,35.8) 61.43,35.53 61.43,33.15 59.95,31.67 v1(45.43,31.67)